# Altium PCB Copy of ECU rev B pcb.PcbDoc (part 5 of 5)
Units mm, origin at the board's own origin, x right, y up, seen from the top; angles counter-clockwise.
Board outline 142 x 125.42 mm, 4 copper layers (Top Layer, GND, Power, Bottom Layer), stack 0.603 mm thick; 577 components, 350 nets, 1799 pads, 656 vias.
Unrouted connection lines stored in the file: 28.
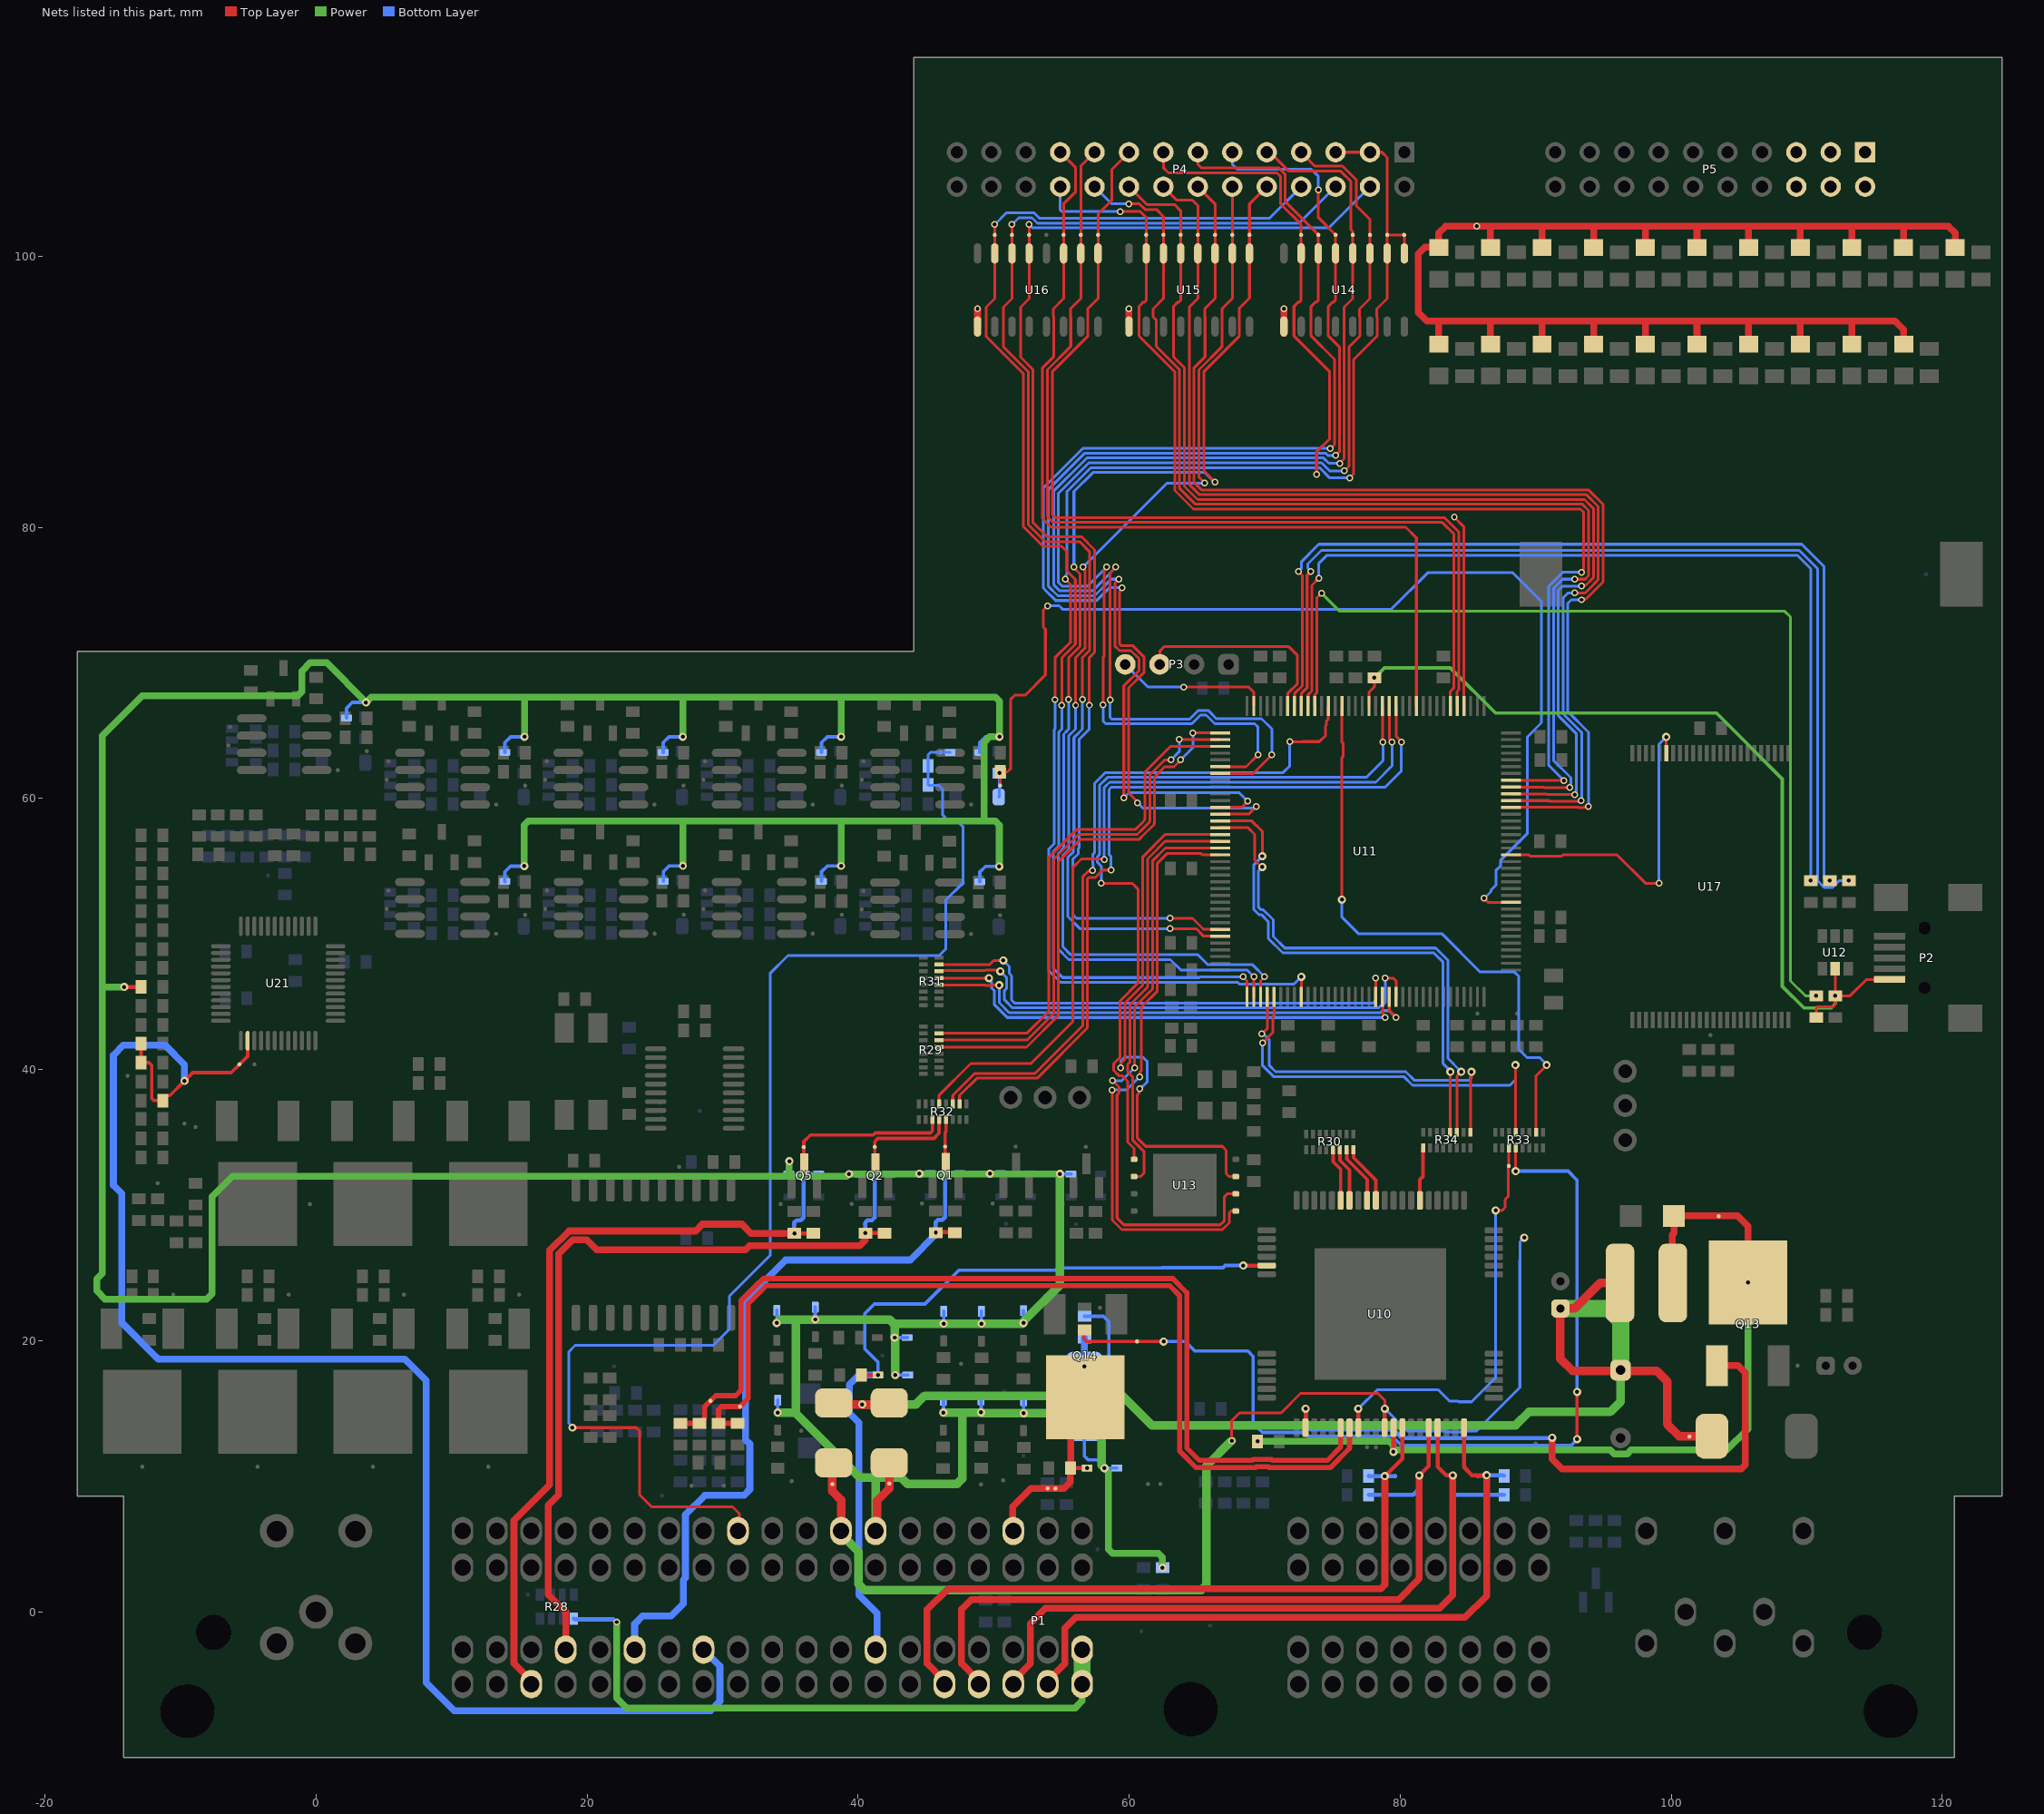
[diagram p7: the nets of this part, all layers, seen from the top]

## Via types
v1: diameter 0.6, hole 0.3, Top Layer to Bottom Layer, tented both sides, 321 vias
v2: diameter 0.5, hole 0.3, Top Layer to Bottom Layer, tented both sides, 275 vias
v3: diameter 0.6, hole 0.4, Top Layer to Bottom Layer, 49 vias
v4: diameter 0.45, hole 0.3, Top Layer to Bottom Layer, tented both sides, 8 vias
v5: diameter 1.2, hole 0.6, Top Layer to Bottom Layer, tented both sides, 2 vias
v6: diameter 0.6, hole 0.3, Top Layer to Bottom Layer, 1 vias

## Nets (pads, with @x,y where several pads share a name; then routed paths per layer and width w, separated by ;. In a path a pad name is that pad's centre, name@x,y a point inside that pad or via, vN(x,y) a via of type N, cw(c..) or ccw(c..) an arc to the next point about the centre after c; other vN are vias at no path point) (continued)
PC7: R33.2 U11.94 | length 43.9
  Top Layer w0.203: v1(75.7,52.546) 75.7,63.025 75.804,63.129 75.804,64.054 75.696,64.162 75.696,65.354 75.7,65.358 U11.94@75.7,66.813 ; R33.2@90.023,35.373 90.023,39.533 90.805,40.315 v1(90.805,40.346) v1@90.7,40.346 ; U11.94@75.699,66.814 U11.94@75.7,66.813
  Bottom Layer w0.203: v1(75.7,52.546) 75.7,51.246 76.911,50.035 83.063,50.035 85.898,47.2 88.429,47.2 88.754,46.875 88.754,41.492 89.346,40.9 90.282,40.9 90.805,40.377 v1(90.805,40.346)
PC9: R32.3 U11.96 | length 52.6
  Top Layer w0.203: R32.3@46.982,37.472 46.99,37.48 46.99,38.107 48.608,39.726 53.061,39.726 56.566,43.231 56.566,54.214 56.981,54.629 57.246,54.629 v2(57.302,54.686) ; v2(71.856,64.193) 72.767,64.193 72.771,64.197 74.041,64.197 74.496,64.652 74.496,65.354 74.555,65.413 74.555,65.703 74.7,65.849 74.7,66.813 U11.96@74.699,66.814
  Bottom Layer w0.203: v2(57.302,54.686) 57.344,54.727 57.344,55.106 57.306,55.143 57.306,55.855 57.455,56.003 57.455,61.109 58.258,61.912 71.367,61.912 71.856,62.402 v2(71.856,64.193)
PC10: R29.5 U11.109 | length 39.7
  Top Layer w0.203: R29.5@45.974,41.68 45.974,41.656 52.436,41.656 54.788,44.008 54.788,55.361 56.425,56.998 60.748,56.998 61.133,57.383 61.845,58.094 61.845,58.152 61.878,58.185 61.878,61.594 62.626,62.342 63.309,62.342 63.8,62.833 v2(63.8,62.846) ; v2(64.7,64.846) U11.109@66.73,64.846
  Bottom Layer w0.203: v2(63.8,62.846) 64.7,63.746 v2(64.7,64.846)
PC11: R29.6 U11.110 | length 39.2
  Top Layer w0.203: R29.6@45.974,42.18 52.457,42.18 54.432,44.155 54.432,55.508 56.277,57.353 60.601,57.353 60.986,57.738 61.489,58.242 61.489,58.299 61.523,58.332 61.523,61.741 62.621,62.84 63.094,62.84 v2(63.1,62.846) ; v2@63.7,64.346 v2(63.7,64.35) 63.708,64.342 64.964,64.342 64.968,64.346 U11.110@66.73,64.346
  Bottom Layer w0.203: v2(63.1,62.846) 63.1,62.858 63.7,63.458 v2(63.7,64.35)
PC12: R29.7 U11.111 | length 38.2
  Top Layer w0.203: R29.7@45.974,42.68 52.454,42.68 54.077,44.303 54.077,55.655 56.13,57.709 60.454,57.709 60.839,58.094 61.134,58.389 61.134,58.446 61.167,58.48 61.167,61.958 63.055,63.846 U11.111@66.73,63.846
PC13: P4.3 P4.5 TP78.0 TP79.0 U11.9 U14.1 U14.2 | length 110.3
  Top Layer w0.203: v2(54.527,67.294) 54.53,67.297 54.53,70.382 55.672,71.525 55.672,75.8 v2(55.291,76.181) ; U11.9@72.699,45.377 v1(72.7,46.846) v1(72.7,46.846) ; P4.5@75.23,107.677 P4.3@77.77,107.677 78.659,107.677 79.04,107.296 TP79.0@79.04,101.581 ; v2(76.265,83.65) 76.577,83.962 76.577,92.4 78.299,94.123 78.299,95.512 78.274,95.537 78.274,96.116 79.04,96.882 U14.2@79.04,100.217 TP79.0@79.04,101.581 ; U14.1@80.31,100.217 80.302,100.226 80.302,101.572 TP78.0@80.293,101.581 TP79.0@79.04,101.581
  Bottom Layer w0.203: v2(54.527,67.294) 54.527,65.114 54.462,65.049 54.462,56.652 54.055,56.246 54.055,47.324 54.275,47.104 54.275,47.098 54.938,46.436 68.019,46.436 68.163,46.292 72.146,46.292 v1(72.7,46.846) ; v2(55.291,76.181) 55.348,76.238 55.348,76.492 55.418,76.562 55.418,82.653 57.176,84.411 74.05,84.411 74.811,83.65 v2(76.265,83.65)
PD2: P4.7 TP80.0 U11.114 U14.3 | length 89.5
  Top Layer w0.203: v2(58.071,66.9) 58.071,70.404 58.162,70.494 58.162,76.812 58.339,76.99 v2(58.339,77.07) ; U11.114@66.73,62.346 68.634,62.346 v2(69.515,63.227) ; P4.7@72.69,107.677 73.706,106.661 75.738,106.661 76.754,105.645 76.754,103.74 77.77,102.724 TP80.0@77.77,101.581 U14.3@77.77,100.217 77.77,96.882 77.004,96.116 77.004,95.537 77.029,95.512 77.029,94.123 76.221,93.315 76.221,84.52 v2(75.872,84.171)
  Bottom Layer w0.203: v2(58.071,66.9) 58.071,65.716 58.274,65.513 64.625,65.513 65.261,66.15 65.679,66.15 66.315,65.513 69.261,65.513 69.515,65.259 v2(69.515,63.227) ; v2(58.339,77.07) 56.942,75.673 55.037,75.673 54.783,75.927 54.783,82.521 57.029,84.767 74.198,84.767 74.435,84.53 74.793,84.171 v2(75.872,84.171) 75.865,84.178 v2@75.865,84.182
PD3: P4.9 TP81.0 U11.115 U14.4 | length 93.4
  Top Layer w0.203: v2(58.593,67.291) 58.593,76.612 58.992,77.01 v2(58.992,77.07) ; U11.115@66.73,61.846 66.836,61.846 66.848,61.833 66.848,61.83 69.134,61.83 v2(70.531,63.227) ; P4.9@70.15,107.677 70.394,107.677 71.791,106.28 75.611,106.28 76.373,105.518 76.373,101.962 76.5,101.835 TP81.0@76.5,101.581 U14.4@76.5,100.217 76.5,96.882 75.865,96.247 75.865,85.062 v2(75.529,84.726)
  Bottom Layer w0.203: v2(58.593,67.291) 58.593,65.988 58.712,65.869 64.478,65.869 65.114,66.505 65.826,66.505 66.437,65.894 69.769,65.894 70.531,65.132 v2(70.531,63.227) ; v2(58.992,77.07) 58.992,77.01 57.3,75.318 54.89,75.318 54.428,75.78 54.428,82.668 56.882,85.122 74.345,85.122 74.741,84.726 v2(75.529,84.726)
PD6: P4.11 TP82.0 U11.120 U14.5 | length 94.7
  Top Layer w0.203: v2(59.228,76.181) 58.949,75.902 58.949,71.254 59.291,70.912 60.134,70.912 60.729,70.317 60.729,69.427 59.609,68.307 v2(59.609,60.052) ; U11.120@66.73,59.346 68.301,59.346 v2(68.753,59.798) ; v2(73.96,104.887) 73.96,102.851 TP82.0@75.23,101.581 U14.5@75.23,100.217 75.23,96.743 75.111,96.624 75.022,96.624 74.701,96.304 74.701,94.123 75.51,93.315 75.51,85.58 v2(75.241,85.311)
  Bottom Layer w0.203: v2(59.228,76.181) 58.666,76.181 57.447,74.962 54.743,74.962 54.021,75.684 54.021,82.765 56.734,85.478 74.492,85.478 74.659,85.311 v2(75.241,85.311) 75.23,85.322 v2@75.23,85.325 ; v2(59.609,60.052) 59.99,60.433 68.118,60.433 v2(68.753,59.798) ; P4.11@67.61,107.677 67.61,106.788 67.991,106.407 73.452,106.407 73.96,105.899 v2(73.96,104.887)
PD7: P4.13 TP83.0 U11.121 U14.6 | length 96.3
  Top Layer w0.203: v2(59.482,75.546) 59.355,75.546 59.426,75.476 59.426,75.409 59.305,75.288 59.305,71.401 59.438,71.268 60.281,71.268 61.085,70.464 61.085,69.28 59.965,68.16 59.965,60.41 60.625,59.749 v2(60.625,59.671) ; P4.13@65.07,107.677 65.07,106.788 65.35,106.509 71.06,106.509 71.522,106.047 71.522,104.019 TP83.0@73.96,101.581 U14.6@73.96,100.217 73.96,96.743 73.841,96.624 73.752,96.624 73.431,96.304 73.431,94.123 75.154,92.4 75.154,86.101 74.887,85.833 v2(74.849,85.833) ; U11.121@66.73,58.846 68.817,58.846 v2(69.388,59.417)
  Bottom Layer w0.203: v2(59.482,75.546) 58.534,75.546 57.594,74.607 54.58,74.607 53.767,75.419 53.767,75.435 53.666,75.536 53.666,82.912 56.587,85.833 v2(74.849,85.833) ; v2(60.625,59.671) 61.006,59.29 69.181,59.29 69.308,59.417 v2(69.388,59.417)
PD8: P4.15 TP84.0 U11.76 U14.7 | length 48.7
  Top Layer w0.203: P4.15@62.53,107.677 62.53,106.534 62.911,106.153 70.912,106.153 71.166,105.899 71.166,103.872 72.69,102.348 TP84.0@72.69,101.581 U14.7@72.69,100.217 72.69,96.743 72.571,96.624 72.482,96.624 72.161,96.304 72.161,94.123 74.799,91.486 74.799,86.545 73.833,85.579 v2(73.833,83.907) ; v2(83.993,80.753) 84.684,80.063 84.684,78.242 84.699,78.227 U11.76@84.699,66.814
PD9: P4.17 TP86.0 U11.77 U16.1 | length 72.5
  Top Layer w0.203: P4.17@59.99,107.677 58.72,106.407 58.72,104.121 57.704,103.105 TP86.0@57.704,101.581 U16.1@57.704,100.217 57.704,96.882 56.938,96.116 56.938,95.537 56.963,95.512 56.963,94.12 54.326,91.482 54.326,80.951 54.55,80.728 83.252,80.728 84.328,79.652 84.328,68.026 84.199,67.897 U11.77@84.199,66.814
PD10: P4.19 TP88.0 U11.78 U16.2 | length 71.8
  Top Layer w0.203: P4.19@57.45,107.677 56.434,106.661 TP88.0@56.434,101.581 56.434,100.692 56.561,100.565 56.434,100.438 U16.2@56.434,100.217 56.434,96.882 55.668,96.116 55.668,95.537 55.693,95.512 55.693,93.353 53.971,91.63 53.971,80.804 54.402,80.372 83.104,80.372 83.972,79.504 83.972,68.174 83.699,67.9 U11.78@83.699,66.814
PD13: P4.21 TP90.0 U11.83 U16.3 | length 69.1
  Top Layer w0.203: P4.21@54.91,107.677 56.053,106.534 56.053,104.756 55.164,103.867 TP90.0@55.164,101.581 U16.3@55.164,100.217 55.164,96.882 54.398,96.116 54.398,95.537 54.423,95.512 54.423,92.585 53.615,91.777 53.615,80.652 54.148,80.118 54.154,80.118 54.255,80.017 80.412,80.017 81.199,79.23 U11.83@81.199,66.814
PE0: P4.4 TP94.0 U11.138 U16.5 | length 93.4
  Top Layer w0.203: v2(52.624,102.343) TP94.0@52.624,101.581 U16.5@52.624,100.217 52.624,96.882 51.989,96.247 51.989,92.564 52.904,91.65 52.904,80.357 53.955,79.306 56.49,79.306 57.45,78.346 57.45,70.789 57.056,70.394 v2(57.056,66.891) ; v2(63.038,51.162) 64.684,51.162 65.385,50.461 65.501,50.346 U11.138@66.73,50.346
  Bottom Layer w0.203: v2(52.624,102.343) 52.878,102.089 74.722,102.089 P4.4@77.77,105.137 ; v2(57.056,66.891) 57.056,65.119 56.307,64.37 56.307,56.365 56.24,56.297 56.24,55.915 55.833,55.509 55.833,51.437 56.108,51.162 v2(63.038,51.162)
PE1: P4.6 TP96.0 U11.139 U16.6 | length 93.3
  Top Layer w0.203: v2(51.354,102.343) TP96.0@51.354,101.581 U16.6@51.354,100.217 51.354,96.882 50.719,96.247 50.719,93.326 52.548,91.498 52.548,80.21 53.808,78.95 56.343,78.95 57.095,78.198 57.095,70.936 56.549,70.39 v2(56.549,67.301) ; v2(63.038,50.4) 64.943,50.4 65.498,49.846 66.328,49.846 66.34,49.833 66.353,49.846 U11.139@66.73,49.846
  Bottom Layer w0.203: v2(51.354,102.343) 51.858,102.847 52.833,102.847 53.236,102.445 72.538,102.445 P4.6@75.23,105.137 ; v2(56.549,67.301) 56.549,65.12 56.307,64.878 56.307,64.873 55.926,64.492 55.926,56.487 55.884,56.444 55.884,56.063 55.478,55.656 55.478,51.29 56.367,50.4 v2(63.038,50.4)
PE2: P4.8 TP98.0 U11.1 U16.7 | length 99.3
  Top Layer w0.203: v2(50.084,102.343) TP98.0@50.084,101.581 U16.7@50.084,100.217 50.084,96.882 49.449,96.247 49.449,94.088 52.193,91.345 52.193,80.063 53.661,78.594 55.037,78.594 55.422,78.209 55.422,76.763 56.028,76.158 56.028,71.378 55.034,70.384 v2(55.034,66.883) ; v2(68.4,46.846) 68.7,46.546 68.7,45.446 68.699,45.445 U11.1@68.699,45.377
  Bottom Layer w0.203: v2(50.084,102.343) 50.944,103.203 52.98,103.203 53.383,102.801 70.354,102.801 P4.8@72.69,105.137 ; v2(55.034,66.883) 55.034,65.132 54.91,65.008 54.91,64.995 54.817,64.902 54.817,56.505 54.411,56.098 54.411,47.471 55.09,46.792 65.179,46.792 65.232,46.844 v2(68.4,46.846) v2(68.4,46.846)
PE3: P4.10 TP85.0 U11.2 U15.1 | length 86.7
  Top Layer w0.203: v2(55.538,67.297) 55.539,67.297 v2(55.538,67.297) 55.538,70.385 56.384,71.23 56.384,76.565 55.926,77.022 v2(55.926,77.07) ; v2(66.34,83.356) 65.502,84.194 65.502,91.486 68.139,94.123 68.139,95.512 68.114,95.537 68.114,96.153 68.88,96.919 U15.1@68.88,100.217 TP85.0@68.88,101.581 68.88,103.867 P4.10@70.15,105.137 ; U11.2@69.199,45.377 v2(69.2,46.846)
  Bottom Layer w0.203: v2(55.538,67.297) 55.538,65.133 55.418,65.013 55.418,65 55.173,64.755 55.173,56.357 54.766,55.951 54.766,48.893 55.545,48.114 63.045,48.114 63.807,47.352 68.693,47.352 v2(69.2,46.846) ; v2(55.926,77.07) 55.926,82.658 57.323,84.055 65.578,84.055 66.278,83.356 v2(66.34,83.356)
PE4: P4.12 TP87.0 U11.3 U15.2 | length 80.8
  Top Layer w0.203: v2(56.045,66.887) 56.045,70.389 56.739,71.083 56.739,76.842 56.591,76.99 v2(56.591,77.07) ; v2(65.578,83.275) 65.147,83.707 65.147,91.633 66.869,93.356 66.869,95.512 66.844,95.537 66.844,96.116 67.61,96.882 U15.2@67.61,100.217 TP87.0@67.61,101.581 P4.12@67.61,105.137 ; U11.3@69.699,45.377 69.699,46.545 v2(70,46.846)
  Bottom Layer w0.203: v2(56.045,66.887) 56.045,65.124 55.545,64.624 55.545,56.609 55.528,56.592 55.528,56.21 55.122,55.804 55.122,49.046 55.698,48.47 65.083,48.47 65.82,47.733 69.112,47.733 v2(70,46.846) ; v2(56.591,77.07) 62.782,83.262 65.565,83.262 v2(65.578,83.275)
PE5: R34.1 U11.4 | length 25.9
  Top Layer w0.203: v2(69.8,42.646) 70.199,43.045 U11.4@70.199,45.377 ; R34.1@85.189,35.373 85.189,39.335 85.252,39.398 v1(85.252,39.846)
  Bottom Layer w0.203: v2(69.8,42.646) 69.88,42.646 70.042,42.484 70.056,42.484 70.351,42.189 70.351,40.294 70.8,39.846 80.417,39.846 81.061,39.202 85.065,39.202 85.184,39.321 85.184,39.778 v1(85.252,39.846)
PE6: R33.5 U11.5 | length 31
  Top Layer w0.203: v2(69.847,41.98) 70.589,42.722 70.589,43.929 70.699,44.039 U11.5@70.699,45.377 ; v1(88.5,40.346) 88.5,35.346 88.523,35.369 R33.5@88.523,35.373
  Bottom Layer w0.203: v2(69.847,41.98) 69.847,40.295 70.653,39.49 80.269,39.49 80.913,38.846 88.1,38.846 88.5,39.246 v1(88.5,40.346)
PE11: P4.14 TP89.0 U11.61 U15.3 | length 84.2
  Top Layer w0.203: P4.14@65.07,105.137 66.34,103.867 TP89.0@66.34,101.581 U15.3@66.34,100.217 66.34,96.882 65.574,96.116 65.574,95.537 65.599,95.512 65.599,92.589 64.791,91.781 64.791,83.319 65.339,82.771 93.893,82.771 94.966,81.698 94.966,75.983 93.697,74.714 93.448,74.714 v2(93.391,74.657) ; U11.61@88.168,59.346 93.132,59.346 93.149,59.329 93.566,59.329 93.582,59.346 93.632,59.346 93.647,59.361 93.843,59.361 v2(93.899,59.417)
  Bottom Layer w0.203: v2(93.391,74.657) 92.629,74.657 92.375,74.403 92.375,66.408 93.899,64.884 v2(93.899,59.417)
PE12: P4.16 TP91.0 U11.62 U15.4 | length 84.2
  Top Layer w0.203: P4.16@62.53,105.137 63.534,104.133 64.677,104.133 65.07,103.74 TP91.0@65.07,101.581 U15.4@65.07,100.217 65.07,96.882 64.435,96.247 64.435,83.172 65.191,82.416 93.746,82.416 94.611,81.551 94.611,76.141 94.28,75.811 94.28,75.8 93.645,75.165 v2(92.883,75.165) ; U11.62@88.168,59.846 90.983,59.846 91.04,59.788 93.312,59.788 v2(93.357,59.833)
  Bottom Layer w0.203: v2(92.883,75.165) 92.375,75.165 92.02,74.81 92.02,66.26 92.121,66.159 92.121,66.148 93.398,64.872 93.398,59.874 v2(93.357,59.833)
PE13: P4.18 TP93.0 U11.63 U15.5 | length 84.9
  Top Layer w0.203: P4.18@59.99,105.137 61.321,103.806 63.358,103.806 63.8,103.365 TP93.0@63.8,101.581 U15.5@63.8,100.217 63.8,96.743 63.681,96.624 63.592,96.624 63.271,96.304 63.271,92.589 64.08,91.781 64.08,83.024 65.044,82.06 93.599,82.06 94.255,81.404 94.255,76.288 93.697,75.73 93.448,75.73 v2(93.391,75.673) ; U11.63@88.168,60.346 90.762,60.346 90.815,60.292 v2(92.894,60.292)
  Bottom Layer w0.203: v2(92.894,60.292) 92.883,60.292 92.951,60.36 92.951,60.55 93.006,60.606 93.006,64.761 91.766,66.001 91.766,66.011 91.664,66.113 91.664,75.343 91.994,75.673 v2(93.391,75.673)
PE14: P4.20 TP95.0 U11.64 U15.6 | length 85.3
  Top Layer w0.203: v2(59.99,103.867) 60.758,103.867 61.174,103.451 62.022,103.451 62.53,102.943 TP95.0@62.53,101.581 U15.6@62.53,100.217 62.53,96.882 61.764,96.116 61.764,95.537 62.001,95.3 62.001,93.356 63.724,91.633 63.724,82.877 64.897,81.704 93.451,81.704 93.899,81.256 93.899,76.435 93.645,76.181 v2(92.883,76.181) ; U11.64@88.168,60.846 90.57,60.846 90.602,60.814 v2(92.502,60.814)
  Bottom Layer w0.203: P4.20@57.45,105.137 58.72,103.867 v2(59.99,103.867) ; v2@92.559,60.871 92.559,61.082 92.591,61.114 92.591,61.531 91.309,62.813 91.309,75.49 92,76.181 v2(92.883,76.181)
PE15: P4.22 TP97.0 U11.65 U15.7 | length 86.8
  Top Layer w0.203: v2(59.355,103.305) 60.817,103.305 61.26,102.862 TP97.0@61.26,101.581 U15.7@61.26,100.217 61.26,96.743 61.141,96.624 61.052,96.624 60.731,96.304 60.731,94.123 63.369,91.486 63.369,82.73 64.749,81.349 93.304,81.349 93.544,81.109 93.544,76.922 93.391,76.77 v2(93.391,76.689) ; U11.65@88.168,61.346 88.179,61.334 92.075,61.334 v2(92.087,61.322) v2@91.994,61.322
  Bottom Layer w0.203: P4.22@54.91,105.137 54.91,103.424 55.029,103.305 v2(59.355,103.305) ; v2(92.087,61.322) 90.953,62.456 90.953,75.648 91.994,76.689 v2(93.391,76.689)
PF6: R31.7 U11.20 | length 38.1
  Top Layer w0.203: R31.7@45.974,47.752 49.706,47.752 50.005,48.051 v1(50.718,48.051) ; U11.20@78.199,45.377 v2@78.199,46.745
  Bottom Layer w0.203: v1(50.718,48.051) 51.151,47.617 51.151,47.097 51.327,46.922 51.327,45.122 51.535,44.913 78,44.913 78.2,45.113 v2(78.2,46.746)
PF7: R31.5 U11.21 | length 36.7
  Top Layer w0.203: R31.5@45.974,46.752 v1(49.662,46.752) ; U11.21@78.699,45.377 78.699,44.127 78.9,43.926 v2(78.9,43.846)
  Bottom Layer w0.203: v1(49.662,46.752) 49.662,46.645 49.863,46.444 49.863,45.999 50.061,45.801 50.061,44.781 50.997,43.846 v2(78.9,43.846)
PF8: R31.4 U11.22 | length 37.4
  Top Layer w0.203: R31.4@45.974,46.252 45.98,46.246 49.385,46.246 49.433,46.198 49.892,46.198 49.939,46.246 50.4,46.246 v1(50.417,46.229) ; U11.22@79.199,45.377 79.199,44.958 79.186,44.946 79.199,44.933 79.199,44.347 v2(79.7,43.846)
  Bottom Layer w0.203: v1(50.417,46.229) 50.417,44.929 51.144,44.201 69.3,44.201 ; 69.301,44.202 78.544,44.202 78.691,44.35 79.196,44.35 v2(79.7,43.846)
PF9: R31.6 U11.23 | length 39.3
  Top Layer w0.203: R31.6@45.974,47.252 46.022,47.3 49.355,47.3 49.402,47.348 50.29,47.348 50.393,47.246 v1(50.5,47.246) ; v2(78.9,46.746) 79.497,46.746 79.699,46.544 U11.23@79.699,45.377
  Bottom Layer w0.203: v1(50.5,47.246) 50.971,46.775 50.971,45.999 50.8,45.828 50.8,45.146 51.388,44.558 78.396,44.558 78.544,44.705 78.66,44.705 78.9,44.946 v2(78.9,46.746)
PG6: R32.2 U11.86 | length 58.2
  Top Layer w0.203: R32.2@47.482,37.472 47.482,38.096 48.756,39.37 53.208,39.37 56.921,43.084 56.921,54.063 57.04,54.182 57.511,54.182 58.053,54.725 v2(58.686,54.725) ; U11.86@79.699,66.814 79.7,66.813 79.7,64.597 80.086,64.212 v2(80.086,64.168)
  Bottom Layer w0.203: v2(58.686,54.725) 58.67,54.741 58.67,55.708 58.522,55.856 58.522,60.667 58.7,60.846 78.9,60.846 80.086,62.032 v2(80.086,64.168)
PG7: R32.5 U11.87 | length 58.4
  Top Layer w0.203: R32.5@45.982,37.472 45.982,38.113 48.28,40.411 48.288,40.411 48.314,40.437 52.725,40.437 55.855,43.566 55.855,54.919 56.484,55.548 58.117,55.548 v2(58.166,55.499) ; U11.87@79.199,66.814 79.199,64.415 79.386,64.228 v2(79.386,64.168)